# Altium PCB 190929 PCB (REV0).PcbDoc (part 1 of 2) (continued)
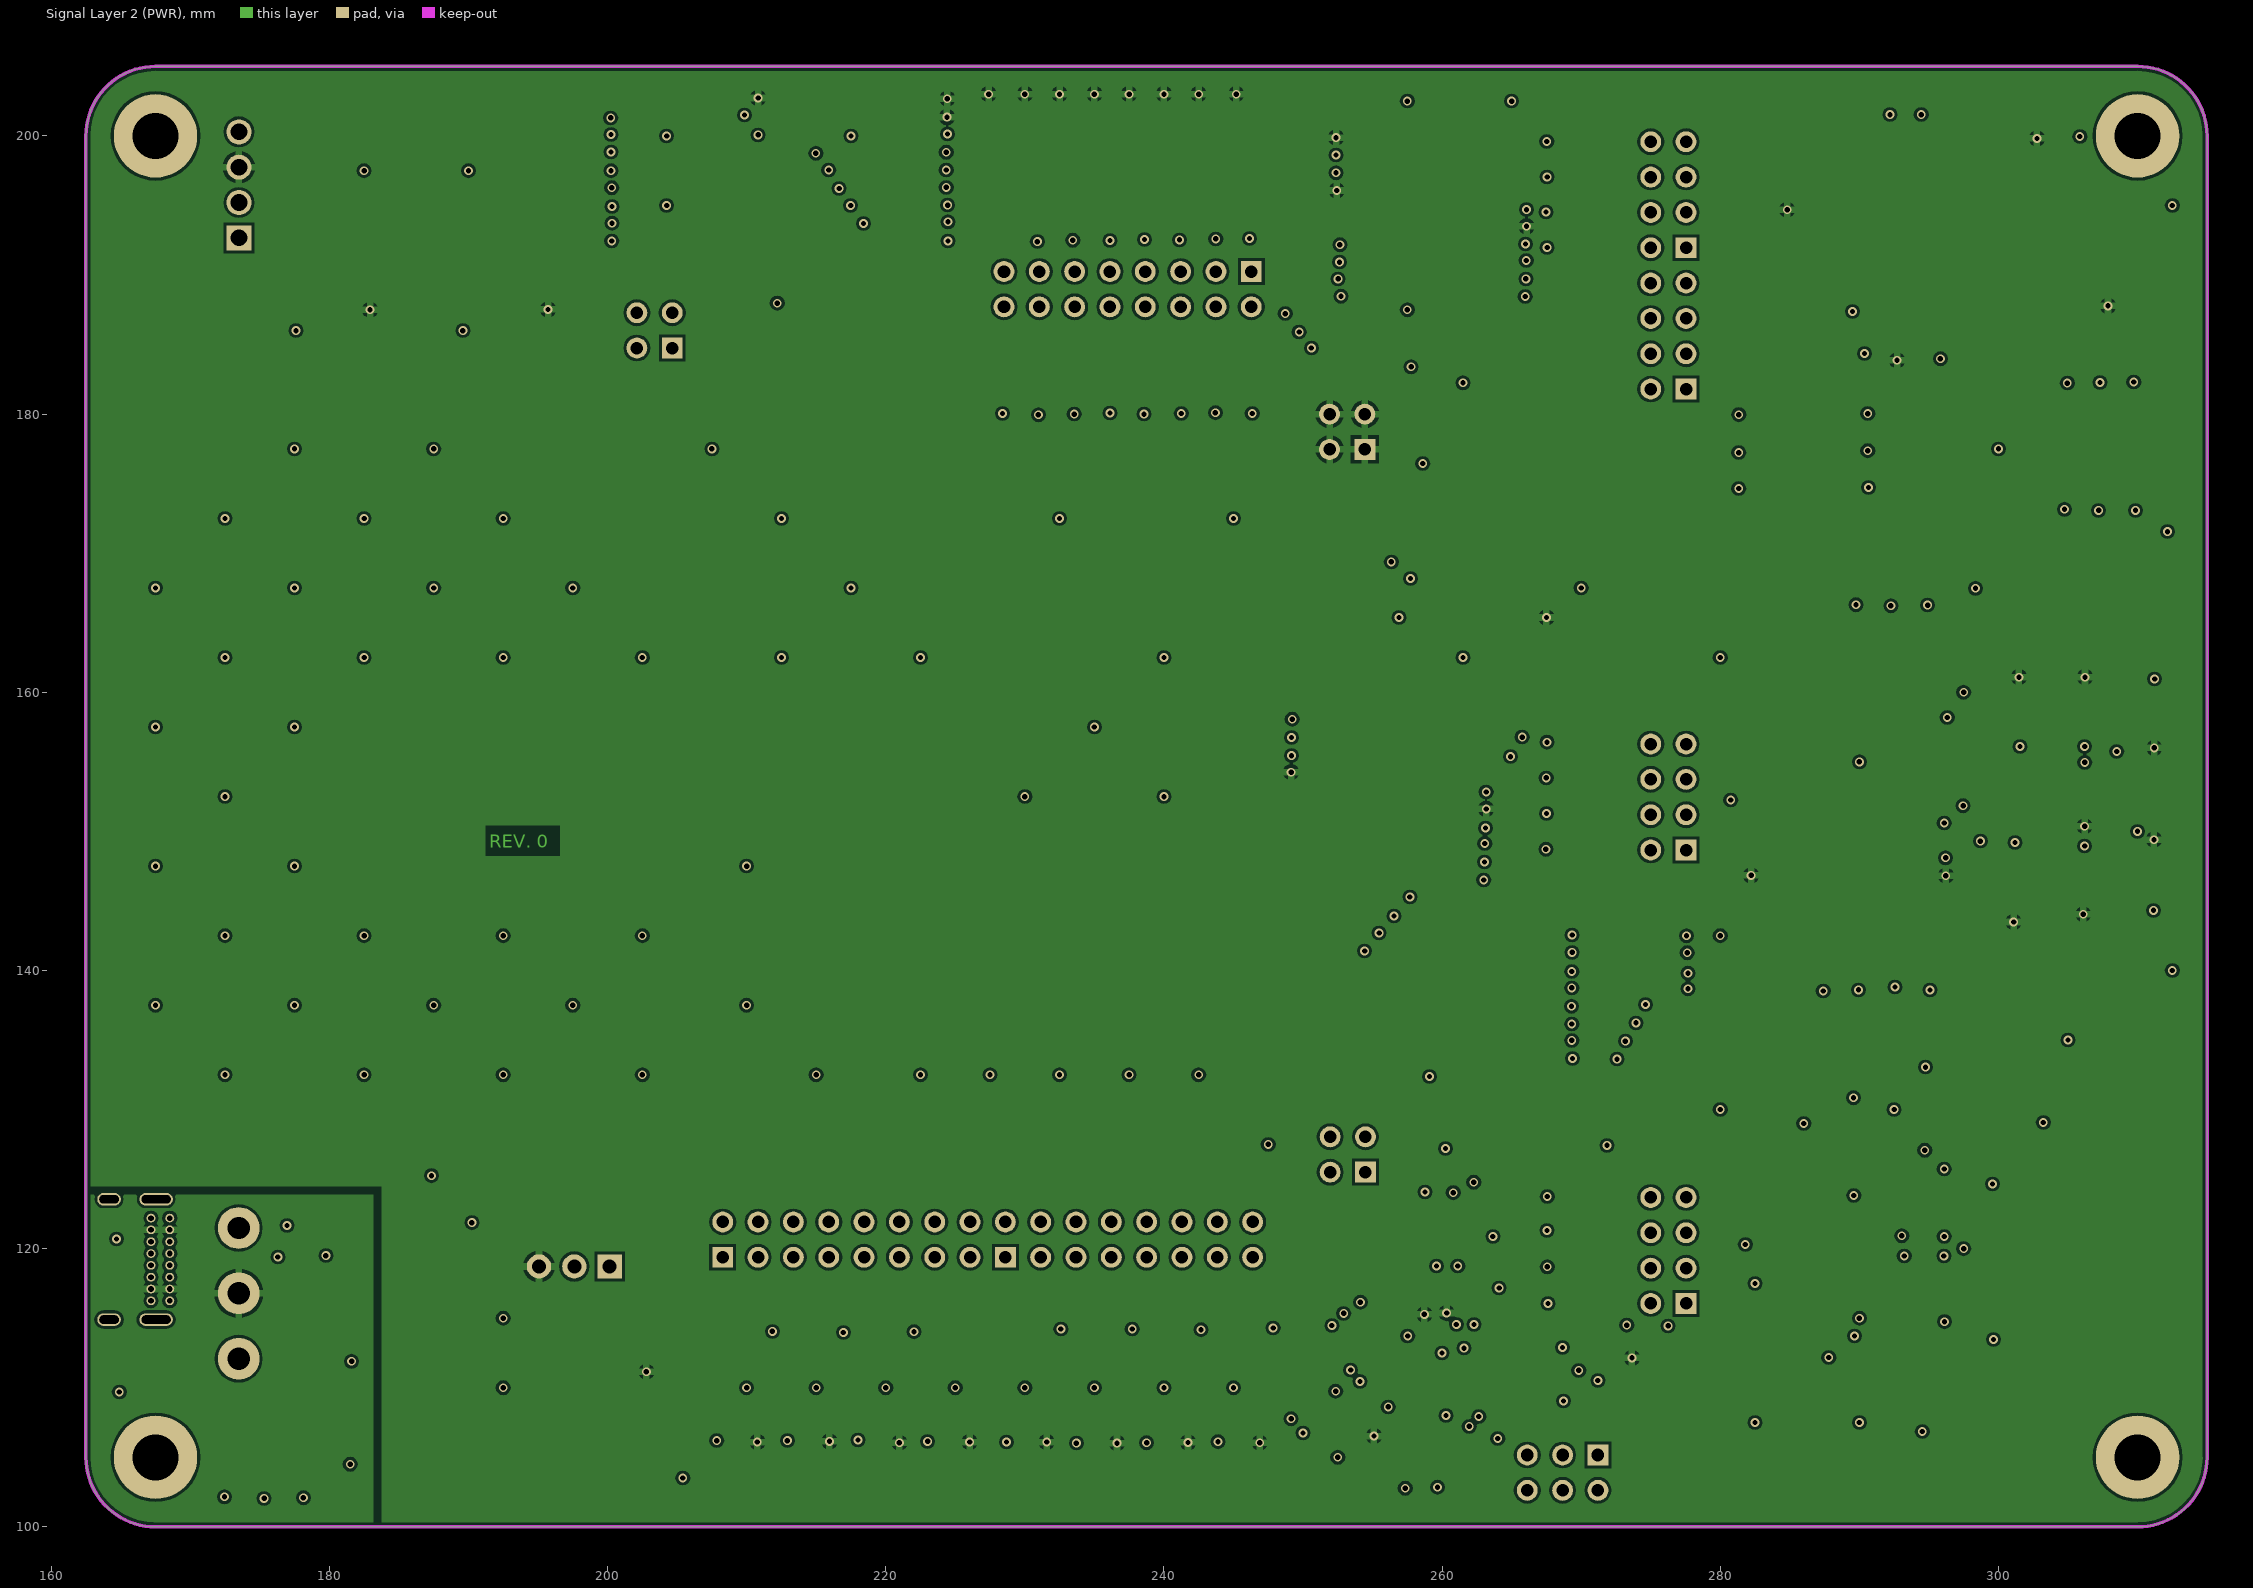
[diagram p3: Signal Layer 2 (PWR)]
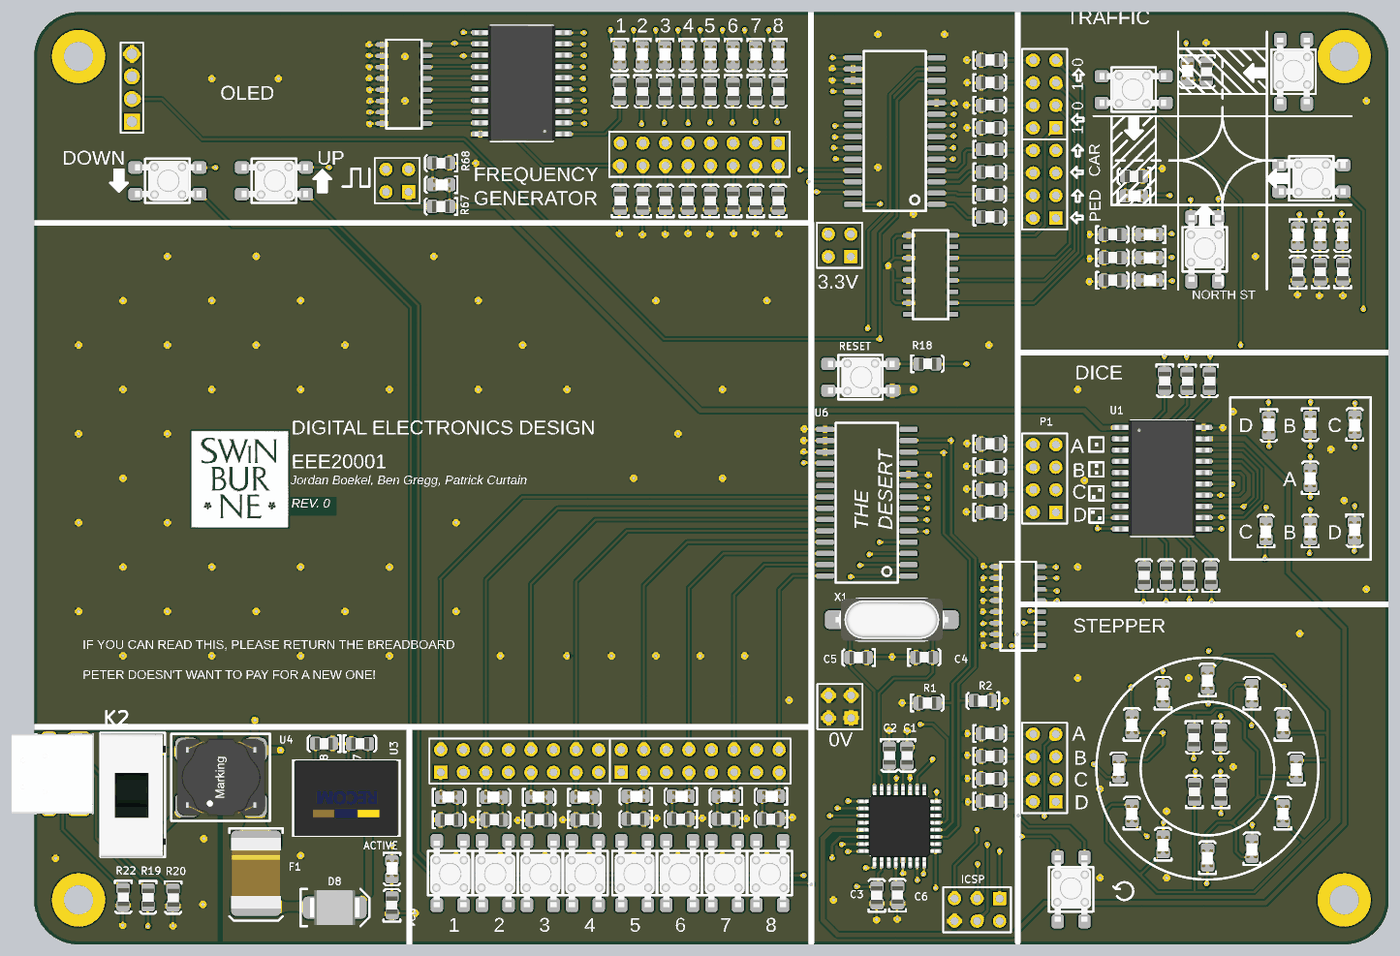
[diagram p5: 3D render of the assembled board from above, using the file's embedded part models]

## Layer stack, top to bottom
Top Solder: solder mask 0.015, Solder Resist, Dk 3.8
Top Copper: signal copper 0.035
Dielectric 1: prepreg 0.1295, PP-017, Dk 4.6
Signal Layer 1 (GND): signal copper 0.035
Core: core 1.065, Core-039, Dk 4.5
Signal Layer 2 (PWR): signal copper 0.035
Dielectric 5: prepreg 0.1295, PP-017, Dk 4.6
Bottom Copper: signal copper 0.035
Bottom Solder: solder mask 0.015, Solder Resist, Dk 3.8

## Board outline
162.5,105 ccw(c167.5,105) 167.5,100 310,100 ccw(c310,105) 315,105 315,200 ccw(c310,200) 310,205 167.5,205 ccw(c167.5,200) 162.5,200

## Design rules (kind name [scope] priority, off if disabled: settings)
BoardOutlineClearance [All] p1: gap=0.2 ignorepadtopadclearanceinfootprint=FALSE except(0.4: Arc-SplitBarrior Arc-SplitContinuation Track-SplitBarrior Track-SplitContinuation SMDPad-SplitBarrior SMDPad-SplitContinuation THPad-SplitBarrior THPad-SplitContinuation Via-SplitBarrior Via-SplitContinuation Fill-SplitBarrior Fill-SplitContinuation Poly-SplitBarrior Poly-SplitContinuation Region-SplitBarrior Region-SplitContinuation Text-SplitBarrior Text-SplitContinuation)
Clearance "Clearance Bottom Layer" [OnLayer('Bottom Layer')] p1: gap=0.203 ignorepadtopadclearanceinfootprint=TRUE except(0.254: Arc-Text Track-Text SMDPad-Text THPad-Text Via-Text Fill-Text Poly-Text Region-Text Text-Text)
Clearance "Clearance Top Layer" [OnLayer('Top Layer')] p2: gap=0.203 ignorepadtopadclearanceinfootprint=TRUE except(0.254: Arc-Text Track-Text SMDPad-Text THPad-Text Via-Text Fill-Text Poly-Text Region-Text Text-Text)
Clearance [All] p3: gap=0.2 ignorepadtopadclearanceinfootprint=FALSE except(0.089: Arc-Arc Arc-Track Arc-SMDPad Track-Track Track-SMDPad SMDPad-SMDPad; 0.127: Arc-Via Track-Via SMDPad-Via THPad-Via Via-Via; 0.254: Arc-Text Track-Text SMDPad-Text THPad-Text Via-Text Fill-Text Poly-Text Region-Text Text-Text; 0.6: Poly-Poly)
HoleSize [All] p1: absolutevalues=TRUE maxlimit=6.3 minlimit=0.2 maxpercent=80.000 minpercent=20.000
MinimumAnnularRing [All] p1: minimumring=0.076
MinimumSolderMaskSliver [All] p1: minsoldermaskwidth=0.1
PolygonConnect PolygonConnect_1 [All] p1: connectstyle=Relief reliefconductorwidth=0.508 reliefentries=4 polygonreliefangle="90 Angle" airgapwidth=0.254
RoutingCorners [All] p1: cornerstyle=Round minsetback=2.54 maxsetback=2.54
RoutingVias [All] p1: holewidth=0.5 width=1 viastyle="Through Hole" minholewidth=0.2 minwidth=0.45 maxholewidth=1 maxwidth=2
SilkToSilkClearance [All] p1: silktosilkclearance=0.1
SilkToSolderMaskClearance [IsPad] p1: minsilkscreentomaskgap=0.1 clearancetoexposedcopper=TRUE
SolderMaskExpansion [All] p1: expansion=0.102
Width [All] p1: maxlimit=2.54 minlimit=0.089 preferedwidth=0.381
25 further rules are at their usual default settings.

## Classes and differential pairs
component class "190822 Top Level": R1 R2
component class U_Display: D45 FREQUENCY1 P2 R67 R68
component class "U_Input Buttons": K1 K2 K3 K4 K5 K6 K7
component class "U_Input Pins": R14 R15 R16 R17 "STEPPER INPUT1"
component class U_Microcontroller: "BRUCE SPRINGSTEEN1" C1 C2 C3 C4 C5 C6 ICSP R18 RESET X1
component class "U_Power Supply (Alternate)": ACTIVE C7 C8 D8 F1 GROUND K2 POWER R19 R20 R21 R22 U3 U4 USB1
component class "U_Traffic Intersection": D9 D10 D11 D12 D13 D14 D15 D16 R23 R24 R25 R26 R27 R28 R29 R30 R31 R32 R33 R34 R35 R36 R37 R38 "TRAFFIC EXPANDER1" "TRAFFIC INPUT1" "TRAFFIC OUTPUT1" U5
component class "U_Dice Module": D1 D2 D3 D4 D5 D6 D7 P1 R3 R4 R5 R6 R7 R8 R9 R10 R11 R12 R13 U1 U2
component class "U_Stepper Motor": D33 D34 D35 D36 D37 D38 D39 D40 D41 D42 D43 D44 R63 R64 R65 R66
component class "U_The Fun Buttons' Friends": D17 D18 D19 D20 D21 D22 D23 D24 "FUN BUTTON OUTPUT1" "FUN BUTTON OUTPUT2" K8 K9 K10 K11 K12 K13 K14 K15 R39 R40 R41 R42 R43 R44 R45 R46 U6
component class "U_The Lights": D25 D26 D27 D28 D29 D30 D31 D32 "LIGHTS INPUT1" R47 R48 R49 R50 R51 R52 R53 R54 R55 R56 R57 R58 R59 R60 R61 R62 U7 U8

## Components (designator, comment, footprint, x,y, rotation, side; value= is the part's Value field where it differs from the comment)
ACTIVE "LED" "0805 LED" 202.794,108.457 r270 top (schematic designator ACTIVE1)
"BRUCE SPRINGSTEEN1" "ATMEGA 328P-AU" "ATMEL TQFP-32" 259.923,113.309 r270 top
C1 "1uF" 0805 260.798,121.259 r270 top
C2 "4.7uF" 0805 258.798,121.259 r270 top
C3 "1uF" 0805 257.374,105.537 r90 top
C4 "22pF" 0805 262.73,132.347 r0 top
C5 "22pF" 0805 255.305,132.297 r180 top
C6 "100nF" 0805 259.699,105.562 r90 top
C7 "10uF" 0805 199.193,122.622 r0 top
C8 "22uF" 0805 195.131,122.607 r180 top
D1 "LED" "0805 LED" 301.175,146.575 r90 top
D2 "LED" "0805 LED" 306.175,146.575 r90 top
D3 "LED" "0805 LED" 311.175,146.575 r270 top
D4 "LED" "0805 LED" 306.175,152.575 r90 top
D5 "LED" "0805 LED" 301.527,158.426 r270 top
D6 "LED" "0805 LED" 306.201,158.513 r270 top
D7 "LED" "0805 LED" 311.175,158.575 r90 top
D8 "SD560BTR" "SMB Diode" 194.234,104.14 r0 top
D9 "LED" "0805 LED" 309.8,179.804 r270 top
D10 "LED" "0805 LED" 307.3,179.804 r270 top
D11 "LED" "0805 LED" 304.8,179.804 r270 top
D12 "LED" "0805 LED" 286.3,184.279 r180 top
D13 "LED" "0805 LED" 288.025,174.779 r180 top
D14 "LED" "0805 LED" 288.025,177.329 r180 top
D15 "LED" "0805 LED" 288.025,179.929 r180 top
D16 "LED" "0805 LED" 292.375,198.279 r270 top
D17 "LED" "0805 LED" 245.43,116.657 r180 top
D18 "LED" "0805 LED" 240.356,116.657 r180 top
D19 "LED" "0805 LED" 235.281,116.657 r180 top
D20 "LED" "0805 LED" 230.207,116.657 r180 top
D21 "LED" "0805 LED" 224.456,116.59 r0 top
D22 "LED" "0805 LED" 219.382,116.59 r0 top
D23 "LED" "0805 LED" 214.307,116.59 r0 top
D24 "LED" "0805 LED" 209.233,116.59 r0 top
D25 "LED" "0805 LED" 228.428,200.139 r270 top
D26 "LED" "0805 LED" 230.983,200.139 r270 top
D27 "LED" "0805 LED" 233.537,200.139 r270 top
D28 "LED" "0805 LED" 236.092,200.139 r270 top
D29 "LED" "0805 LED" 238.646,200.139 r270 top
D30 "LED" "0805 LED" 241.2,200.139 r270 top
D31 "LED" "0805 LED" 243.755,200.139 r270 top
D32 "LED" "0805 LED" 246.309,200.139 r270 top
D33 "LED" "0805 LED" 294.6,109.8 r90 top
D34 "LED" "0805 LED" 299.6,110.8 r90 top
D35 "LED" "0805 LED" 303.1,114.8 r90 top
D36 "LED" "0805 LED" 304.6,119.8 r90 top
D37 "LED" "0805 LED" 303.1,124.8 r90 top
D38 "LED" "0805 LED" 299.6,128.3 r90 top
D39 "LED" "0805 LED" 294.6,129.8 r90 top
D40 "LED" "0805 LED" 289.6,128.3 r90 top
D41 "LED" "0805 LED" 286.1,124.8 r90 top
D42 "LED" "0805 LED" 284.6,119.8 r90 top
D43 "LED" "0805 LED" 286.1,114.8 r90 top
D44 "LED" "0805 LED" 289.6,111.3 r90 top
D45 "LED" "0805 LED" 208.3,185.55 r180 top
F1 "0ZCF0100AF2A" 2920 187.477,111.669 r270 top
FREQUENCY1 "2.54mm" "Header 2x2" 204.65,184.75 r90 top
"FUN BUTTON OUTPUT1" "Header 2x8" "Header 2x8" 208.28,119.38 r0 top
"FUN BUTTON OUTPUT2" "Header 2x8" "Header 2x8" 228.6,119.38 r0 top
GROUND "2.54mm" "Header 2x2" 254.49,125.5 r90 top
ICSP "2.54mm" "Header 2x3" 271.205,105.165 r180 top (schematic designator ICSP1)
K1 "TL3305AF160QG" "E-Switch SPST GULL" 306.3,184.779 r0 top
K2 "CS12ANW03" "NKK  SPDT SWITCH" 173.482,112.088 r0 top
K2 "TL3305AF160QG" "E-Switch SPST GULL" 295.8,178.279 r90 top
K3 "TL3305AF160QG" "E-Switch SPST GULL" 305.8,198.279 r90 top
K4 "TL3305AF160QG" "E-Switch SPST GULL" 286.3,197.779 r180 top
K5 "TL3305AF160QG" "E-Switch SPST GULL" 280.75,106.2 r90 top
K6 "TL3305AF160QG" "E-Switch SPST GULL" 177.5,184.5 r0 top
K7 "TL3305AF160QG" "E-Switch SPST GULL" 189.5,184.5 r0 top
K8 "TL3305AF160QG" "E-Switch SPST GULL" 207.837,108.033 r270 top
K9 "TL3305AF160QG" "E-Switch SPST GULL" 212.911,108.033 r270 top
K10 "TL3305AF160QG" "E-Switch SPST GULL" 217.986,108.033 r270 top
K11 "TL3305AF160QG" "E-Switch SPST GULL" 223.06,108.033 r270 top
K12 "TL3305AF160QG" "E-Switch SPST GULL" 228.6,108.033 r270 top
K13 "TL3305AF160QG" "E-Switch SPST GULL" 233.674,108.033 r270 top
K14 "TL3305AF160QG" "E-Switch SPST GULL" 238.749,108.033 r270 top
K15 "TL3305AF160QG" "E-Switch SPST GULL" 243.823,108.033 r270 top
"LIGHTS INPUT1" "Header 2x8" "Header 2x8" 246.283,190.25 r180 top
P1 "2.54mm" "Header 2x4" 277.54,148.66 r90 top
P2 "2.54mm" "Header 1x4" 173.5,192.67 r90 top
POWER "2.54mm" "Header 2x2" 254.45,177.46 r90 top
R1 "10k" 0805 263.075,127.2 r0 top
R2 "10k" 0805 269.3,127.425 r180 top
R3 "10k" 0805 270.111,148.686 r0 top
R4 "10k" 0805 270.111,151.25 r0 top
R5 "10k" 0805 270.111,153.813 r0 top
R6 "10k" 0805 270.111,156.376 r0 top
R7 "1k" 0805 289.799,163.462 r270 top
R8 "1k" 0805 292.351,163.438 r270 top
R9 "1k" 0805 294.851,163.438 r270 top
R10 "1k" 0805 294.974,141.562 r90 top
R11 "1k" 0805 292.474,141.562 r90 top
R12 "1k" 0805 289.974,141.562 r90 top
R13 "1k" 0805 287.474,141.562 r90 top
R14 "10k" 0805 270.111,123.76 r0 top
R15 "10k" 0805 270.111,121.22 r0 top
R16 "10k" 0805 270.111,118.68 r0 top
R17 "10k" 0805 270.111,116.14 r0 top
R18 "1k" 0805 263.1,165.4 r0 top
R19 "200R" 0805 175.336,105.283 r270 top
R20 "5.1k" 0805 178.156,105.25 r270 top
R21 "200R" 0805 202.768,104.419 r90 top
R22 "5.1k" 0805 172.543,105.316 r270 top
R23 "330R" 0805 270.111,181.932 r0 top
R24 "330R" 0805 270.111,184.472 r0 top
R25 "330R" 0805 270.111,187.012 r0 top
R26 "330R" 0805 270.111,189.552 r0 top
R27 "1k" 0805 309.825,175.754 r90 top
R28 "1k" 0805 307.3,175.754 r90 top
R29 "1k" 0805 304.775,175.729 r90 top
R30 "1k" 0805 286.325,186.504 r180 top
R31 "1k" 0805 283.925,174.8 r0 top
R32 "1k" 0805 283.925,177.35 r0 top
R33 "1k" 0805 283.925,179.95 r0 top
R34 "1k" 0805 294.5,198.279 r270 top
R35 "10k" 0805 270.111,191.986 r0 top
R36 "10k" 0805 270.111,194.526 r0 top
R37 "10k" 0805 270.111,197.066 r0 top
R38 "10k" 0805 270.111,199.606 r0 top
R39 "1k" 0805 245.43,114.107 r180 top
R40 "1k" 0805 240.356,114.107 r180 top
R41 "1k" 0805 235.281,114.107 r180 top
R42 "1k" 0805 230.207,114.107 r180 top
R43 "1k" 0805 224.456,114.04 r0 top
R44 "1k" 0805 219.382,114.04 r0 top
R45 "1k" 0805 214.307,114.04 r0 top
R46 "1k" 0805 209.233,114.04 r0 top
R47 "10k" 0805 246.257,183.75 r90 top
R48 "10k" 0805 243.717,183.75 r90 top
R49 "10k" 0805 241.177,183.75 r90 top
R50 "10k" 0805 238.637,183.75 r90 top
R51 "10k" 0805 236.097,183.75 r90 top
R52 "10k" 0805 233.557,183.75 r90 top
R53 "10k" 0805 231.017,183.75 r90 top
R54 "10k" 0805 228.477,183.75 r90 top
R55 "1k" 0805 228.453,196.051 r270 top
R56 "1k" 0805 231.004,196.051 r270 top
R57 "1k" 0805 233.555,196.051 r270 top
R58 "1k" 0805 236.106,196.051 r270 top
R59 "1k" 0805 238.657,196.051 r270 top
R60 "1k" 0805 241.208,196.051 r270 top
R61 "1k" 0805 243.759,196.051 r270 top
R62 "1k" 0805 246.309,196.051 r270 top
R63 "1k" 0805 293.1,123.3 r270 top
R64 "1k" 0805 296.1,123.3 r270 top
R65 "1k" 0805 293.126,117.2 r90 top
R66 "1k" 0805 296.1,117.2 r90 top
R67 "1k" 0805 208.288,183.099 r180 top
R68 "1k" 0805 208.3,187.98 r180 top
RESET "TL3305AF160QG" "E-Switch SPST GULL" 255.525,162.375 r0 top (schematic designator RESET1)
"STEPPER INPUT1" "2.54mm" "Header 2x4" 277.54,116.06 r90 top
"TRAFFIC EXPANDER1" "MCP23017" "Microchip 28-SOIC" 259.4,191.6 r90 top
"TRAFFIC INPUT1" "2.54mm" "Header 2x4" 277.54,191.96 r90 top
"TRAFFIC OUTPUT1" "2.54mm" "Header 2x4" 277.54,181.8 r90 top
U1 "SN74HC540DWR" "TI 20-SOIC" 289.5,152.5 r180 top
U2 "S16C03-8TR" "SMC 16-SOIC" 273.29,138.095 r270 top
U3 "R-78C3.3-1.0" "RECOM 3-SIP" 200.152,118.72 r180 top
U4 "744272121" "Wurth 4-PC Pad" 187.35,121.917 r180 top
U5 "S16C03-8TR" "SMC 16-SOIC" 263.44,175.41 r270 top
U6 "MCP23017" "Microchip 28-SOIC" 256.25,149.75 r90 top
U7 "SN74HC540DWR" "TI 20-SOIC" 217.4,196.975 r0 top
U8 "S16C03-8TR" "SMC 16-SOIC" 204.135,196.895 r90 top
USB1 "USB4085-GF-A" USB4085-GF-A 164.5,119.352 r270 top
X1 "" "Abracon HC-49/US" 259.067,136.572 r0 top

## Footprints (in the part's own frame and the unit in brackets; to place one, negate y for a bottom-side part, rotate by r counter-clockwise, add the part's x,y. Pads: shape width x height; smd on the part's side, far side on the other; paste and mask are expansions set on the pad)
0805 [mm]
  rrect50% 1.3x1.5 smd: 1(-0.962,-0.026) 2(0.938,-0.026)
  silkscreen extent -1.85,-0.95 1.8,0.93, body extent -1,-0.65 1,0.66, height 0.73
"0805 LED" [mm]
  rrect50% 1.3x1.5 smd: A(-0.962,-0.026) K(0.938,-0.026)
  silkscreen extent -1.85,-0.95 1.8,0.93, body extent -1.1,-0.62 0.9,0.62, height 1
2920 [mm]
  rrect50% 2.3x5.6 smd: 1(0,0) 2(7.3,0)
  silkscreen extent -1.4,-3 9,3, body extent -0.34,-2.81 7.64,2.81, height 1.14
"Abracon HC-49/US" [mm]
  rrect50% 5.6x2.1 smd: 1(-4.75,0) 2(4.75,0)
  silkscreen extent -5.85,-2.35 5.85,2.35, body extent -6.35,-2.35 6.35,2.35, height 4.06
"ATMEL TQFP-32" [mm]
  rrect50% 1.2x0.45 smd: 1(-4.125,2.8) 2(-4.125,2) 3(-4.125,1.2) 4(-4.125,0.4) 5(-4.125,-0.4) 6(-4.125,-1.2) 7(-4.125,-2) 8(-4.125,-2.8) 17(4.125,-2.8) 18(4.125,-2) 19(4.125,-1.2) 20(4.125,-0.4) 21(4.125,0.4) 22(4.125,1.2) 23(4.125,2) 24(4.125,2.8)
  rrect50% 0.45x1.2 smd: 9(-2.8,-4.125) 10(-2,-4.125) 11(-1.2,-4.125) 12(-0.4,-4.125) 13(0.4,-4.125) 14(1.2,-4.125) 15(2,-4.125) 16(2.8,-4.125) 25(2.8,4.125) 26(2,4.125) 27(1.2,4.125) 28(0.4,4.125) 29(-0.4,4.125) 30(-1.2,4.125) 31(-2,4.125) 32(-2.8,4.125)
  silkscreen extent -3.25,-3.25 3.25,3.25, body extent -4.5,-4.5 4.5,4.5, height 1.1
"E-Switch SPST GULL" [mm]
  rrect50% 1.6x1.4 smd: 1(-3.6,0) 2(3.6,0) 3(-3.6,3) 4(3.6,3)
  silkscreen extent -2.5,-1 2.5,4, body extent -3.65,-0.75 3.85,3.75, height 3.7
"Header 1x4" [mm]
  rect 1.8x1.8 hole 1.2: 1(0,0)
  round 1.8 hole 1.2: 2(2.54,0) 3(5.08,0) 4(7.62,0)
  silkscreen extent -1.27,-1.27 8.89,1.27
"Header 2x2" [mm]
  rect 1.5x1.5 hole 0.9: 1(0,0)
  round 1.5 hole 0.9: 2(0,2.54) 3(2.54,0) 4(2.54,2.54)
  silkscreen extent -1.27,-1.27 3.81,3.81
"Header 2x3" [mm]
  rect 1.5x1.5 hole 0.9: 1(0,0)
  round 1.5 hole 0.9: 2(0,2.54) 3(2.54,0) 4(2.54,2.54) 5(5.08,0) 6(5.08,2.54)
  silkscreen extent -1.27,-1.27 6.35,3.81
"Header 2x4" [mm]
  rect 1.5x1.5 hole 0.9: 1(0,0)
  round 1.5 hole 0.9: 2(0,2.54) 3(2.54,0) 4(2.54,2.54) 5(5.08,0) 6(5.08,2.54) 7(7.62,0) 8(7.62,2.54)
  silkscreen extent -1.27,-1.27 8.89,3.81
"Header 2x8" [mm]
  rect 1.5x1.5 hole 0.9: 1(0,0)
  round 1.5 hole 0.9: 2(0,2.54) 3(2.54,0) 4(2.54,2.54) 5(5.08,0) 6(5.08,2.54) 7(7.62,0) 8(7.62,2.54) 9(10.16,0) 10(10.16,2.54) 11(12.7,0) 12(12.7,2.54) 13(15.24,0) 14(15.24,2.54) 15(17.78,0) 16(17.78,2.54)
  silkscreen extent -1.27,-1.27 19.05,3.81
"Microchip 28-SOIC" [mm]
  rrect50% 0.6x2 smd: 1(-8.255,-4.7) 2(-6.985,-4.7) 3(-5.715,-4.7) 4(-4.445,-4.7) 5(-3.175,-4.7) 6(-1.905,-4.7) 7(-0.635,-4.7) 8(0.635,-4.7) 9(1.905,-4.7) 10(3.175,-4.7) 11(4.445,-4.7) 12(5.715,-4.7) 13(6.985,-4.7) 14(8.255,-4.7) 15(8.255,4.7) 16(6.985,4.7) 17(5.715,4.7) 18(4.445,4.7) 19(3.175,4.7) 20(1.905,4.7) 21(0.635,4.7) 22(-0.635,4.7) 23(-1.905,4.7) 24(-3.175,4.7) 25(-4.445,4.7) 26(-5.715,4.7) 27(-6.985,4.7) 28(-8.255,4.7)
  silkscreen extent -9,-3.5 9,3.5, body extent -8.95,-5.15 8.95,5.15, height 2.65
"NKK  SPDT SWITCH" [mm]
  round 3 hole 1.6: C(0,4.7) NC(0,9.4) NO(0,0)
  silkscreen extent -3.5,-2.25 3.75,11.75, body extent -3.51,-2.3 3.81,11.7, height 3.8
"RECOM 3-SIP" [mm] "12 to 42 Vdc In, 9 Vdc Out"
  rect 1.75x1.75 hole 1: 1(0,0)
  round 1.75 hole 1: 2(2.54,0) 3(5.08,0)
  silkscreen extent -3.5,-2 8.5,6.5, body extent -3.26,-2.02 8.34,6.48, height 11.41
"SMB Diode" [mm]
  rrect50% 2.5x2.5 smd: A(-0.25,0) K(4.45,0)
  silkscreen extent -1.75,-2.1 6,2.1, body extent -0.69,-1.97 4.9,1.97, height 2.5
"SMC 16-SOIC" [mm]
  rrect50% 0.51x1.27 smd: 1(-4.445,-2.49) 2(-3.175,-2.49) 3(-1.905,-2.49) 4(-0.635,-2.49) 5(0.635,-2.49) 6(1.905,-2.49) 7(3.175,-2.49) 8(4.445,-2.49) 9(4.445,2.49) 10(3.175,2.49) 11(1.905,2.49) 12(0.635,2.49) 13(-0.635,2.49) 14(-1.905,2.49) 15(-3.175,2.49) 16(-4.445,2.49)
  silkscreen extent -5,-2 5,2, body extent -5,-2 5,2, height 2.65
"TI 20-SOIC" [mm]
  rrect50% 2x0.6 smd: 1(-4.65,5.715) 2(-4.65,4.445) 3(-4.65,3.175) 4(-4.65,1.905) 5(-4.65,0.635) 6(-4.65,-0.635) 7(-4.65,-1.905) 8(-4.65,-3.175) 9(-4.65,-4.445) 10(-4.65,-5.715) 11(4.65,-5.715) 12(4.65,-4.445) 13(4.65,-3.175) 14(4.65,-1.905) 15(4.65,-0.635) 16(4.65,0.635) 17(4.65,1.905) 18(4.65,3.175) 19(4.65,4.445) 20(4.65,5.715)
  silkscreen extent -3.5,-6.5 3.5,6.5, body extent -5.32,-6.5 5.32,6.5, height 2.64
USB4085-GF-A [mm]
  oval 0.62x0.65 hole 0.4: A1(-2.848,4.025) A4(-1.998,4.025) A5(-1.148,4.025) A6(-0.298,4.025) A7(0.552,4.025) A8(1.402,4.025) A9(2.252,4.025) A12(3.102,4.025) B1(3.102,2.675) B4(2.252,2.675) B5(1.402,2.675) B6(0.552,2.675) B7(-0.298,2.675) B8(-1.148,2.675) B9(-1.998,2.675) B12(-2.848,2.675)
  oval 0.9x2.4 hole 0.6 slot 2.1 at 90 deg: P1(-4.198,3.045) P2(4.452,3.045)
  oval 0.9x1.7 hole 0.6 slot 1.4 at 90 deg: P3(4.452,-0.335) P4(-4.198,-0.335)
  silkscreen extent -4.35,-2.07 4.6,4.58, body extent -4.39,-4.56 4.64,4.61, height 3.46
"Wurth 4-PC Pad" [mm]
  rrect50% 2.7x2.7 smd: 1(7.62,6.22) 2(0,6.22) 3(0,0) 4(7.62,0)
  silkscreen extent -1.7,-1.8 9.4,8, body extent -1.19,-1.24 8.81,7.46, height 6.2

## Part data